# Altium PCB GridSeed.PcbDoc (part 3 of 4)
Units mm, origin at the board's own origin, x right, y up, seen from the top; angles counter-clockwise.
Board outline 91 x 132.25 mm, 4 copper layers (Top Layer, Mid-Top Layer, Mid-Bottom Layer, Bottom Layer); 396 components, 143 nets, 1833 pads, 2320 vias.
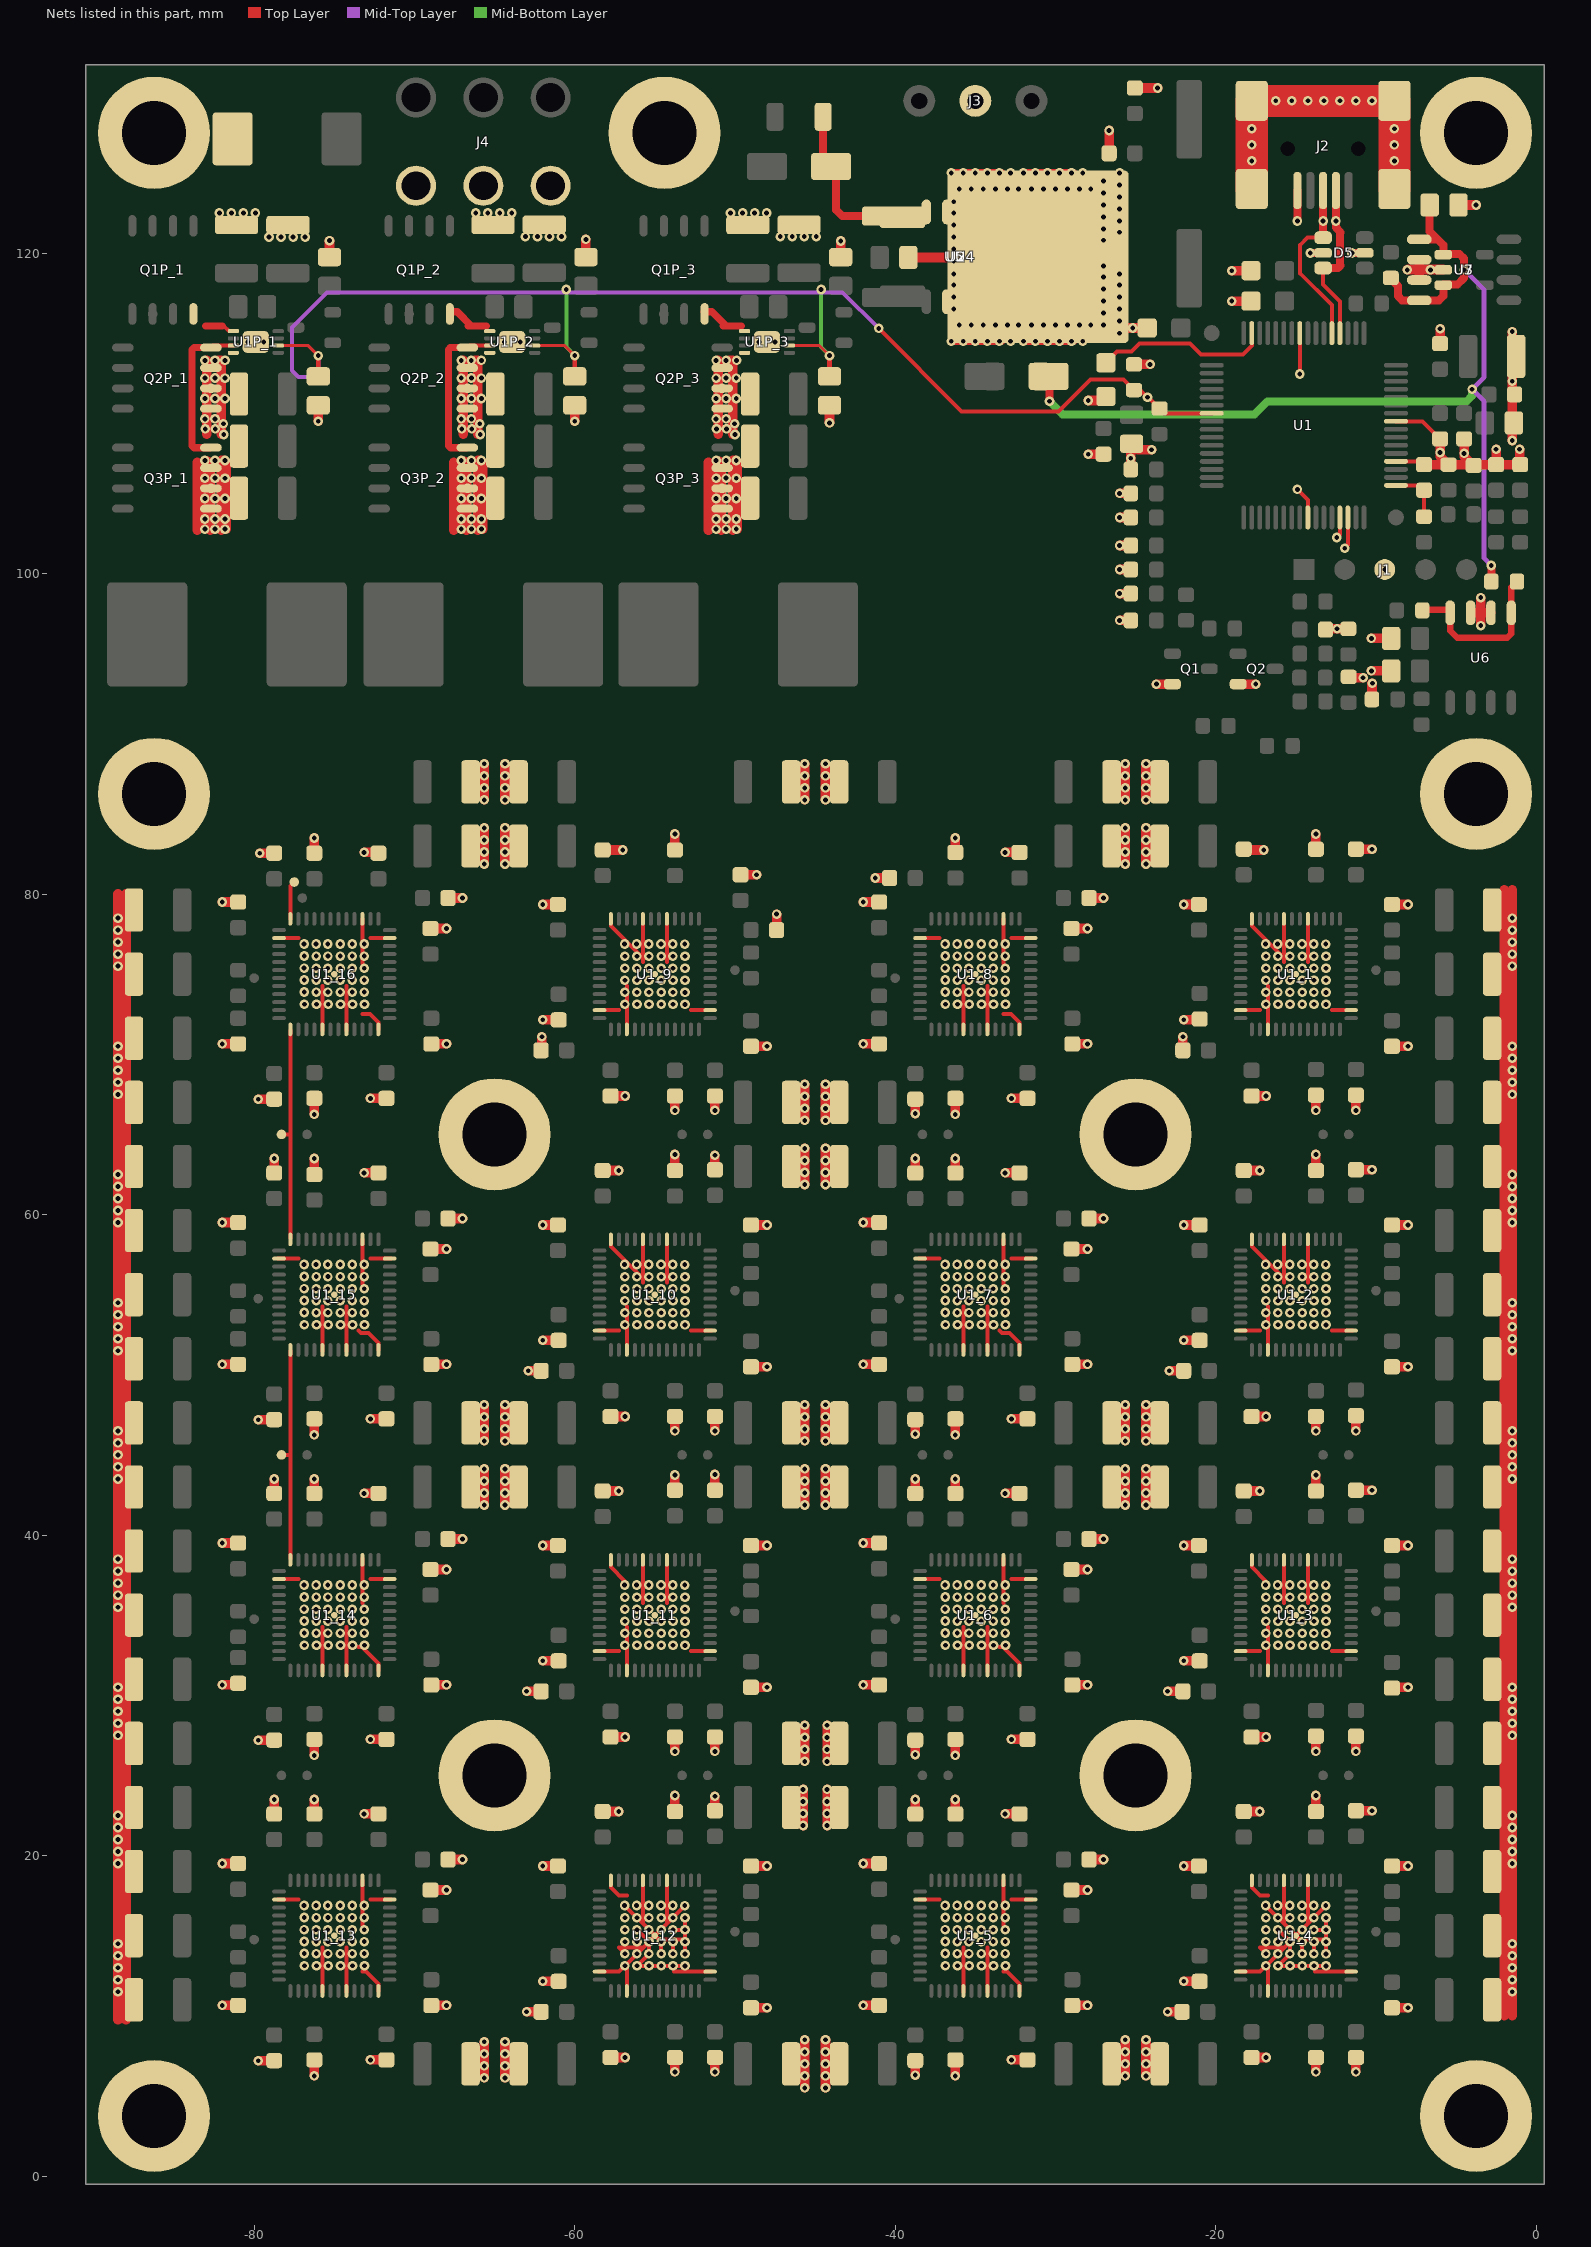
[diagram p5: the nets of this part, all layers, seen from the top]

## Via types
v1: diameter 0.6, hole 0.3, Top Layer to Bottom Layer, tented both sides, 1744 vias
v2: diameter 0.6, hole 0.3, Top Layer to Bottom Layer, 576 vias

## Nets (pads, with @x,y where several pads share a name; then routed paths per layer and width w, separated by ;. In a path a pad name is that pad's centre, name@x,y a point inside that pad or via, vN(x,y) a via of type N, cw(c..) or ccw(c..) an arc to the next point about the centre after c; other vN are vias at no path point) (continued)
CONFIG_P15: pad.0@-78.3,45 U1_14.36 U1_15.1 | length 13.5
  Top Layer w0.25: pad.0@-78.3,45 -77.75,45 ; U1_14.36@-77.75,38.525 U1_15.1@-77.75,51.475
CONFIG_P16: pad.0@-78.3,65 U1_15.36 U1_16.1 | length 13.5
  Top Layer w0.25: pad.0@-78.3,65 -77.75,65 ; U1_15.36@-77.75,58.525 U1_16.1@-77.75,71.475
CONFIG_P17: pad.0@-77.5,80.75 U1_16.36 | length 2.4
  Top Layer w0.25: U1_16.36@-77.75,78.45 -77.75,80.5 pad.0@-77.5,80.75
CSN4: U1.14 | length 2.1
  Top Layer w0.25: v1@-12,101.525 v1(-11.95,101.575) -11.75,101.775 U1.14@-11.75,103.5
CSP4: U1.13 | length 1.3
  Top Layer w0.25: v1(-12.45,102.25) -12.25,102.45 U1.13@-12.25,103.5
D+: D5.1 J2.3 U1.37 | length 10.9
  Top Layer w0.25: D5.1@-13.3,120.96 -14.275,120.96 -14.725,120.51 -14.725,118.725 -12.75,116.75 U1.37@-12.75,115
  Top Layer w0.5: D5.1@-13.3,120.96 v1(-13.3,122) J2.3@-13.3,123.9
D-: D5.3 J2.2 U1.36 | length 10.5
  Top Layer w0.25: D5.3@-13.058,119.06 -13.3,119.06 -13.3,118.035 -12.25,116.985 U1.36@-12.25,115
  Top Layer w0.5: D5.3@-13.058,119.06 -12.365,119.06 -12.2,119.225 ; J2.2@-12.5,123.9 v1(-12.5,122) -12.5,121.589 -12.2,121.289 ; -12.25,119.225 -12.25,121.289
DRVLOGIC: C2P_1.1 C2P_2.1 C2P_3.1 pad.0@-44.1,112.3 pad.0@-60,112.3 pad.0@-76,112.3 R17.2 R19.2 U1.55 U1P_1.6 U1P_2.6 U1P_3.6 | length 89.5
  Top Layer w0.2: U1P_1.6@-78.5,114.225 -76.625,114.225 v1(-76,113.6) ; U1P_2.6@-62.5,114.225 -60.625,114.225 v1(-60,113.6) ; U1P_3.6@-46.6,114.225 -44.725,114.225 v1(-44.1,113.6)
  Top Layer w0.25: v1(-41.025,115.3) -35.85,110.125 -29.8,110.125 -27.825,112.1 -25.75,112.1 R19.2@-25.1,111.45 ; R19.2@-25.108,111.45 R19.2@-25.1,111.45 ; U1.55@-20.25,110 -23.2,110 -24.2,111 v1(-24.258,111) -24.708,111.45 R19.2@-25.1,111.45
  Top Layer w0.3: pad.0@-76,112.3 v1(-76,113.6) ; pad.0@-60,112.3 v1(-60,113.6) ; pad.0@-44.1,112.3 v1(-44.1,113.6)
  Mid-Top Layer w0.25: v1(-76,113.6) -76,112.7 -76.425,112.275 -77.25,112.275 -77.65,112.675 -77.65,115.35 -75.45,117.55 -73.518,117.55 -43.275,117.55 v1(-41.025,115.3)
  Mid-Bottom Layer w0.25: v1(-60.525,117.725) -60.525,114.125 v1(-60,113.6) ; v1(-44.625,117.725) -44.625,114.125 v1(-44.1,113.6)
FB: C3.1 R18.1 U1.17 | length 3.5
  Top Layer w0.25: U1.17@-8.75,105.5 -7.3,105.5 C3.1@-7,105.2 R18.1@-7,103.55
GND: C1.2 C1_1.2 C1_2.2 C1_3.2 C1_4.2 C1_5.2 C1_6.2 C1_7.2 C1_8.2 C1_9.2 C1_10.2 C1_11.2 C1_12.2 C1_13.2 C1_14.2 C1_15.2 C1_16.2 C1P_1.1 C1P_2.1 C1P_3.1 C2.2 C2_1.2 C2_2.2 C2_3.2 C2_4.2 C2_5.2 C2_6.2 C2_7.2 C2_8.2 C2_9.2 C2_10.2 C2_11.2 C2_12.2 C2_13.2 C2_14.2 C2_15.2 C2_16.2 C2P_1.2 C2P_2.2 C2P_3.2 C3.2 C3_1.2 C3_2.2 C3_3.2 C3_4.2 C3_5.2 C3_6.2 C3_7.2 C3_8.2 C3_9.2 C3_10.2 C3_11.2 C3_12.2 C3_13.2 C3_14.2 C3_15.2 C3_16.2 C4.2 C4_1.2 C4_2.2 C4_3.2 C4_4.2 C4_5.2 C4_6.2 C4_7.2 C4_8.2 C4_9.2 C4_10.2 C4_11.2 C4_12.2 C4_13.2 C4_14.2 C4_15.2 C4_16.2 C4P_1.2 C4P_2.2 C4P_3.2 C5.2 C5_1.1 C5_2.1 C5_3.1 C5_4.1 C5_5.1 C5_6.1 C5_7.1 C5_8.1 C5_9.1 C5_10.1 C5_11.1 C5_12.1 C5_13.1 C5_14.1 C5_15.1 C5_16.1 C5P_1.2 C5P_2.2 C5P_3.2 C6.2 C6_1.2 C6_2.2 C6_3.2 C6_4.2 C6_5.2 C6_6.2 C6_7.2 C6_8.2 C6_9.2 C6_10.2 C6_11.2 C6_12.2 C6_13.2 C6_14.2 C6_15.2 C6_16.2 C6P_1.2 C6P_2.2 C6P_3.2 C7.2 C7_1.2 C7_2.2 C7_3.2 C7_4.2 C7_5.2 C7_6.2 C7_7.2 C7_8.2 C7_9.2 C7_10.2 C7_11.2 C7_12.2 C7_13.2 C7_14.2 C7_15.2 C7_16.2 C7P_1.2 C7P_2.2 C7P_3.2 C8.2 C8_1.2 C8_2.2 C8_3.2 C8_4.2 C8_5.2 C8_6.2 C8_7.2 C8_8.2 C8_9.2 C8_10.2 C8_11.2 C8_12.2 C8_13.2 C8_14.2 C8_15.2 C8_16.2 C8P_1.2 C8P_2.2 C8P_3.2 C9.2 C9_1.2 C9_2.2 C9_3.2 C9_4.2 C9_5.2 C9_6.2 C9_7.2 C9_8.2 C9_9.2 C9_10.2 C9_11.2 C9_12.2 C9_13.2 C9_14.2 C9_15.2 C9_16.2 C10.2 C10_1.2 C10_2.2 C10_3.2 C10_4.2 C10_5.2 C10_6.2 C10_7.2 C10_8.2 C10_9.2 C10_10.2 C10_11.2 C10_12.2 C10_13.2 C10_14.2 C10_15.2 C10_16.2 C11.2 C11_1.2 C11_2.2 C11_3.2 C11_4.2 C11_5.2 C11_6.2 C11_7.2 C11_8.2 C11_9.2 C11_10.2 C11_11.2 C11_12.2 C11_13.2 C11_14.2 C11_15.2 C11_16.2 C12.2 C13.2 C14.2 C15.2 C16.2 C17.2 C25.1 C26.2 C_220_1.2 C_220_2.2 C_220_3.2 C_220_4.2 C_220_5.2 C_220_6.2 C_220_7.2 C_220_8.2 C_220_9.2 C_220_10.2 C_220_11.2 C_220_12.2 C_220_13.2 C_220_14.2 C_220_15.2 C_220_16.2 C_220_17.2 C_220_18.2 C_220_19.2 C_220_20.2 C_220_21.2 C_220_22.2 C_220_23.2 C_220_24.2 C_220_25.2 C_220_26.2 C_220_27.2 C_220_28.2 C_220_29.2 C_220_30.2 C_220_31.2 C_220_32.2 C_220_33.2 C_220_34.2 C_220_35.2 C_220_36.2 C_220_37.2 C_220_38.2 C_220_39.2 C_220_40.2 C_220_41.2 C_220_42.2 C_220_43.2 C_220_44.2 C_220_45.2 C_220_46.2 C_220_47.2 C_220_48.2 C_220_49.2 C_220_50.2 C_220_51.2 C_220_52.2 C_220_53.2 C_220_54.2 C_220_55.2 C_220_56.2 C_220_57.2 C_220_58.2 C_220_59.2 C_220_60.2 C_220_61.2 C_220_62.2 C_220_63.2 C_220_64.2 C_220_65.2 C_220_66.2 C_220_67.2 C_220_68.2 C_220_69.2 C_220_70.2 C_220_71.2 C_220_73.2 D1.1 D2.1 D3.1 D4.1 D5.2 D5.5 D10.2 J1.3 J2.5 J2.6 J2.7 J2.8 J2.9 J3.2 J4.1 J4.3 J4.5 pad.0@-3.75,3.75 pad.0@-3.75,86.25 pad.0@-3.75,127.5 pad.0@-25,25 pad.0@-25,65 pad.0@-48,114.45 pad.0@-50.8,105.315 pad.0@-50.8,111.56 pad.0@-54.4,127.5 pad.0@-63.9,114.45 pad.0@-65,25 pad.0@-65,65 pad.0@-66.7,105.315 pad.0@-66.7,111.56 pad.0@-79.9,114.45 pad.0@-82.7,105.315 pad.0@-82.7,111.56 pad.0@-86.25,3.75 pad.0@-86.25,86.25 pad.0@-86.25,127.5 Q1.2 Q2.2 Q2P_1.1 Q2P_1.2 Q2P_1.3 Q2P_2.1 Q2P_2.2 Q2P_2.3 Q2P_3.1 Q2P_3.2 Q2P_3.3 Q3P_1.1 Q3P_1.2 Q3P_1.3 Q3P_2.1 Q3P_2.2 Q3P_2.3 Q3P_3.1 Q3P_3.2 Q3P_3.3 R5.1 R7.1 R8.2 R9.2 R10.2 R11.2 R12.1 R13.1 R14.1 R16.1 R19.1 R31.1 U1.9 U1.20 U1.25 U1.41 U1_1.5 U1_1.8 U1_1.12 U1_1.23 U1_1.27 U1_1.38 U1_1.49 U1_2.5 U1_2.8 U1_2.12 U1_2.23 U1_2.27 U1_2.38 U1_2.49 U1_3.5 U1_3.8 U1_3.12 U1_3.23 U1_3.27 U1_3.38 U1_3.49 U1_4.5 U1_4.8 U1_4.12 U1_4.23 U1_4.27 U1_4.38 U1_4.49 U1_5.5 U1_5.8 U1_5.12 U1_5.23 U1_5.27 U1_5.38 U1_5.49 U1_6.5 U1_6.8 U1_6.12 U1_6.23 U1_6.27 U1_6.38 U1_6.49 U1_7.5 U1_7.8 U1_7.12 U1_7.23 U1_7.27 U1_7.38 U1_7.49 U1_8.5 U1_8.8 U1_8.12 U1_8.23 U1_8.27 U1_8.38 U1_8.49 U1_9.5 U1_9.8 U1_9.12 U1_9.23 U1_9.27 U1_9.38 U1_9.49 U1_10.5 U1_10.8 U1_10.12 U1_10.23 U1_10.27 U1_10.38 U1_10.49 U1_11.5 U1_11.8 U1_11.12 U1_11.23 U1_11.27 U1_11.38 U1_11.49 U1_12.5 U1_12.8 U1_12.12 U1_12.23 U1_12.27 U1_12.38 U1_12.49 U1_13.5 U1_13.8 U1_13.12 U1_13.23 U1_13.27 U1_13.38 U1_13.49 U1_14.5 U1_14.8 U1_14.12 U1_14.23 U1_14.27 U1_14.38 U1_14.49 U1_15.5 U1_15.8 U1_15.12 U1_15.23 U1_15.27 U1_15.38 U1_15.49 U1_16.5 U1_16.8 U1_16.12 U1_16.23 U1_16.27 U1_16.38 U1_16.49 U1P_1.4 U1P_1.9 U1P_2.4 U1P_2.9 U1P_3.4 U1P_3.9 U2.2 U2.3 U2.4 U2.5 U2.6 U2.7 U3.2 U4.2 U5.2 U6.6 U6.7 U7.6 U7.7 | length 1020.3
  Top Layer w0.25: U1_13.38@-78.525,17.25 -77.25,17.25 ; U1_14.38@-78.525,37.25 -77.25,37.25 ; U1_15.38@-78.525,57.25 -77.25,57.25 ; U1_16.38@-78.525,77.25 -77.25,77.25 ; U1_13.5@-75.75,11.475 -75.75,13.12 -75.75,14.25 ; U1_14.5@-75.75,31.475 -75.75,34.25 ; U1_15.5@-75.75,51.475 -75.75,53.12 -75.75,54.25 ; U1_16.5@-75.75,71.475 -75.75,73.12 -75.75,74.25 ; U1_13.8@-74.25,11.475 -74.25,13.12 -74.25,14.25 ; U1_14.8@-74.25,31.475 -74.25,34.25 ; U1_15.8@-74.25,51.475 -74.25,53.12 -74.25,54.25 ; U1_16.8@-74.25,71.475 -74.25,73.12 -74.25,74.25 ; -73.5,33 -73.264,33 -72.25,31.986 U1_14.12@-72.25,31.55 ; -73.5,52.75 -73.35,52.6 -72.864,52.6 -72.25,51.986 U1_15.12@-72.25,51.55 ; -73.25,12.75 -73.014,12.75 -72.25,11.986 U1_13.12@-72.25,11.55 ; -73.25,15.675 U1_13.27@-73.25,18.45 ; -73.25,35.75 U1_14.27@-73.25,38.525 ; -73.25,55.675 U1_15.27@-73.25,58.45 ; -73.25,72.5 -72.764,72.5 -72.25,71.986 U1_16.12@-72.25,71.55 ; -73.25,75.675 U1_16.27@-73.25,78.45 ; -72.75,17.25 U1_13.23@-71.475,17.25 ; -72.75,37.25 U1_14.23@-71.475,37.25 ; -72.75,57.25 U1_15.23@-71.475,57.25 ; -72.75,77.25 U1_16.23@-71.475,77.25 ; U1_12.23@-58.525,12.75 -57.235,12.75 v2(-56.865,13.12) -55.371,14.615 v2(-55.371,13.871) ; U1_11.23@-58.525,32.75 -57.25,32.75 ; U1_10.23@-58.525,52.75 -57.25,52.75 ; U1_9.23@-58.525,72.75 -57.25,72.75 ; U1_12.12@-57.75,18.45 -57.75,18.014 -57.236,17.5 -56.75,17.5 ; U1_11.12@-57.75,38.45 -57.75,38 -56.885,37.135 v2(-56.885,36.88) ; U1_10.12@-57.75,58.45 -57.75,58 -55.75,56 ; U1_9.12@-57.75,78.45 -57.75,78 -55.75,76 ; v2(-56.885,16.88) -56.88,16.88 -55.75,15.75 ; v2(-56.871,13.871) -57.25,14.25 -56.115,14.25 -55.75,14.25 ; U1_12.27@-56.75,11.5 U1_12.27@-56.75,11.55 v2@-56.75,13.12 ; U1_11.27@-56.75,31.55 -56.75,33.871 -56.75,34.25 ; U1_10.27@-56.75,51.475 U1_10.27@-56.75,51.55 -56.75,54.25 ; U1_9.27@-56.75,71.475 U1_9.27@-56.75,71.55 -56.75,73.12 -56.75,74.25 ; v2(-56.12,15.371) -55.375,14.625 U1_12.49@-55,15 ; v2(-56.115,13.12) v2@-55.371,13.864 ; v2@-56.11,13.115 v2@-54.595,13.115 ; U1_12.8@-55.75,18.525 -55.75,15.75 ; -55.75,35.75 U1_11.8@-55.75,38.45 U1_11.8@-55.75,38.525 ; -55.75,55.75 -55.75,56 ; U1_10.8@-55.75,58.525 U1_10.8@-55.75,58.45 -55.75,56 ; -55.75,75.75 -55.75,76 ; U1_9.8@-55.75,78.525 -55.75,76 ; v2(-54.6,13.871) v2@-54.6,14.62 ; -54.25,13.115 v2@-53.12,13.115 ; -54.25,15.75 U1_12.5@-54.25,18.45 U1_12.5@-54.25,18.525 ; -54.25,35.75 U1_11.5@-54.25,38.525 ; -54.25,55.75 U1_10.5@-54.25,58.525 ; -54.25,75.75 U1_9.5@-54.25,78.45 U1_9.5@-54.25,78.525 ; v2(-53.871,13.871) v2@-53.871,14.62 ; v2(-53.871,15.371) -53.865,15.365 v2(-53.12,15.365) ; -53.8,12.75 U1_12.38@-51.475,12.75 ; v2(-53.135,16.875) -53.135,16.851 -54.985,15 U1_12.49@-55,15 ; v2(-53.12,13.865) v2@-53.12,14.62 ; v2(-53.12,16.115) v2(-53.12,15.365) ; -52.75,32.75 U1_11.38@-51.475,32.75 ; -52.75,52.75 U1_10.38@-51.475,52.75 ; -52.75,72.75 U1_9.38@-51.55,72.75 ; U1_5.38@-38.525,17.25 -37.25,17.25 ; U1_6.38@-38.525,37.25 U1_6.38@-38.45,37.25 -37.25,37.25 ; U1_7.38@-38.525,57.25 U1_7.38@-38.45,57.25 -37.25,57.25 ; U1_8.38@-38.525,77.25 U1_8.38@-38.45,77.25 -37.25,77.25 ; U1_5.5@-35.75,11.475 -35.75,14.25 ; U1_6.5@-35.75,31.475 -35.75,33.12 -35.75,34.25 ; U1_7.5@-35.75,51.475 -35.75,54.25 ; U1_8.5@-35.75,71.475 -35.75,73.12 -35.75,74.25 ; U1_5.8@-34.25,11.475 U1_5.8@-34.25,11.55 -34.25,14.25 ; U1_6.8@-34.25,31.475 U1_6.8@-34.25,31.55 -34.25,34.25 ; U1_7.8@-34.25,51.475 U1_7.8@-34.25,51.55 -34.25,54.25 ; U1_8.8@-34.25,71.475 U1_8.8@-34.25,71.55 -34.25,74.25 ; -33.5,33 -33.264,33 -32.25,31.986 U1_6.12@-32.25,31.55 ; -33.5,52.75 -33.35,52.6 -32.864,52.6 -32.25,51.986 U1_7.12@-32.25,51.55 ; -33.25,12.75 -33.014,12.75 -32.25,11.986 U1_5.12@-32.25,11.55 ; -33.25,15.675 U1_5.27@-33.25,18.45 ; -33.25,35.75 U1_6.27@-33.25,38.525 ; -33.25,55.675 U1_7.27@-33.25,58.45 ; -33.25,72.5 -32.764,72.5 -32.25,71.986 U1_8.12@-32.25,71.55 ; -33.25,75.675 U1_8.27@-33.25,78.45 ; -32.75,17.25 U1_5.23@-31.475,17.25 ; -32.75,37.25 U1_6.23@-31.55,37.25 U1_6.23@-31.475,37.25 ; -32.75,57.25 U1_7.23@-31.55,57.25 U1_7.23@-31.475,57.25 ; -32.75,77.25 U1_8.23@-31.55,77.25 U1_8.23@-31.475,77.25 ; U1_4.23@-18.525,12.75 U1_4.23@-18.45,12.75 -17.235,12.75 v2(-16.865,13.12) -15.371,14.615 v2(-15.371,13.871) ; U1_3.23@-18.525,32.75 U1_3.23@-18.45,32.75 -17.25,32.75 ; U1_2.23@-18.525,52.75 U1_2.23@-18.45,52.75 -17.25,52.75 ; U1_1.23@-18.525,72.75 U1_1.23@-18.45,72.75 -17.25,72.75 ; U1_4.12@-17.75,18.45 -17.75,18.014 -17.236,17.5 -16.75,17.5 ; U1_3.12@-17.75,38.45 -17.75,38 -16.885,37.135 v2(-16.885,36.88) ; U1_2.12@-17.75,58.45 -17.75,58 -15.75,56 ; U1_1.12@-17.75,78.45 -17.75,78 -15.75,76 ; v2(-16.885,16.88) -16.88,16.88 -15.75,15.75 ; v2(-16.871,13.871) -17.25,14.25 -15.75,14.25 ; U1_4.27@-16.75,11.5 v2@-16.75,13.12 ; U1_3.27@-16.75,31.55 -16.75,34.25 ; U1_2.27@-16.75,51.475 -16.75,54.25 ; U1_1.27@-16.75,71.475 -16.75,74.25 ; v2(-16.12,15.371) -15.375,14.625 U1_4.49@-15,15 ; v2(-16.115,13.12) v2@-15.371,13.864 ; v2@-16.11,13.115 v2@-14.595,13.115 ; U1_4.8@-15.75,18.525 U1_4.8@-15.75,18.45 -15.75,15.75 ; -15.75,35.75 -15.75,36.12 U1_3.8@-15.75,38.525 ; -15.75,55.75 -15.75,56 ; U1_2.8@-15.75,58.525 -15.75,56 ; -15.75,75.75 -15.75,76 ; U1_1.8@-15.75,78.525 U1_1.8@-15.75,78.45 -15.75,76 ; v1(-14.9,105.25) -14.25,104.6 U1.9@-14.25,103.5 ; v1(-14.75,112.45) U1.41@-14.75,115 ; v2(-14.6,13.871) v2@-14.6,14.62 ; -14.25,13.115 v2@-13.12,13.115 ; -14.25,15.75 U1_4.5@-14.25,18.525 ; -14.25,35.75 U1_3.5@-14.25,38.525 ; -14.25,55.75 U1_2.5@-14.25,58.525 ; -14.25,75.75 U1_1.5@-14.25,78.525 ; v2(-13.871,13.871) v2@-13.871,14.62 ; v2(-13.871,15.371) -13.865,15.365 v2(-13.12,15.365) ; -13.8,12.75 U1_4.38@-11.55,12.75 U1_4.38@-11.475,12.75 ; v2(-13.135,16.875) -13.135,16.851 -14.985,15 U1_4.49@-15,15 ; v2(-13.12,13.865) v2@-13.12,14.62 ; v2(-13.12,16.115) v2(-13.12,15.365) ; -12.75,32.75 U1_3.38@-11.55,32.75 U1_3.38@-11.475,32.75 ; -12.75,52.75 U1_2.38@-11.55,52.75 U1_2.38@-11.475,52.75 ; -12.75,72.75 U1_1.38@-11.55,72.75 ; U1.20@-8.75,107 -7.2,107 C3.2@-7,106.8 ; U1.25@-8.75,109.5 -7.1,109.5 C11.2@-6,108.4 ; -55.75,15.75 v2(-55.371,15.371) U1_12.49@-55,15 ; U1_12.49@-55,15 -54.75,14.75 -53.12,14.75 v2(-53.12,15.365) ; -15.75,15.75 v2(-15.371,15.371) U1_4.49@-15,15 ; U1_4.49@-15,15 -14.75,14.75 -13.865,14.75 -13.12,14.75 v2(-13.12,15.365)
  Top Layer w0.5: v1(-36.5,114.5) v1(-35.75,114.5) v1(-35,114.5) v1(-34.25,114.5) v1(-33.5,114.5) U4.2@-33.365,114.5 ; v1(-36.5,125) v1(-35.75,125) v1(-35,125) v1(-34.25,125) v1(-33.5,125) U4.2@-33.365,125 ; U4.2@-36.35,115 v1(-36.35,116.5) v1(-36.35,117.25) v1(-36.35,118) U4.2@-36.35,118.135 ; v1(-36.35,119.5) -36.35,119.725 v1(-36.35,120.25) v1(-36.35,121) v1(-36.35,121.75) v1(-36.35,122.5) U4.2@-36.35,122.635 ; v1(-36,115.5) v1(-35.25,115.5) v1(-34.5,115.5) v1(-33.75,115.5) v1(-33,115.5) U4.2@-32.865,115.5 ; v1(-36,124) v1(-35.25,124) v1(-34.5,124) v1(-33.75,124) v1(-33,124) U4.2@-32.865,124 ; v1(-32,114.5) v1(-31.25,114.5) v1(-30.5,114.5) v1(-29.75,114.5) v1(-29,114.5) U4.2@-28.865,114.5 ; v1(-32,125) v1(-31.25,125) v1(-30.5,125) v1(-29.75,125) v1(-29,125) U4.2@-28.865,125 ; v1(-31.5,115.5) v1(-30.75,115.5) v1(-30,115.5) v1(-29.25,115.5) v1(-28.5,115.5) U4.2@-28.365,115.5 ; v1(-31.5,124) v1(-30.75,124) v1(-30,124) v1(-29.25,124) v1(-28.5,124) U4.2@-28.365,124 ; v1(-27,115.5) v1(-27,116.25) v1(-27,117) v1(-27,117.75) v1(-27,118.5) U4.2@-27,118.635 ; U4.2@-27,121.365 v1(-27,121.5) v1(-27,122.25) v1(-27,123) v1(-27,123.75) v1(-27,124.5) ; v1(-26,115) v1(-26,115.75) v1(-26,116.5) v1(-26,117.25) v1(-26,118) U4.2@-26,118.135 ; U4.2@-26,121.865 v1(-26,122) v1(-26,122.75) v1(-26,123.5) v1(-26,124.25) v1(-26,125) ; v1(-14.9,122) J2.5@-14.9,123.9 ; v1(-14.1,120) D5.2@-13.31,120 ; v1@-11.5,120.01 D5.5@-10.7,120.01